# Altium PCB BerndoKeyboard-Switchboard.PcbDoc (part 1 of 3)
Units mm, origin at the board's own origin, x right, y up, seen from the top; angles counter-clockwise.
Board outline 470 x 135 mm, 2 copper layers (Top Layer, Bottom Layer), stack 1.581 mm thick; 355 components, 212 nets, 1814 pads, 203 vias.
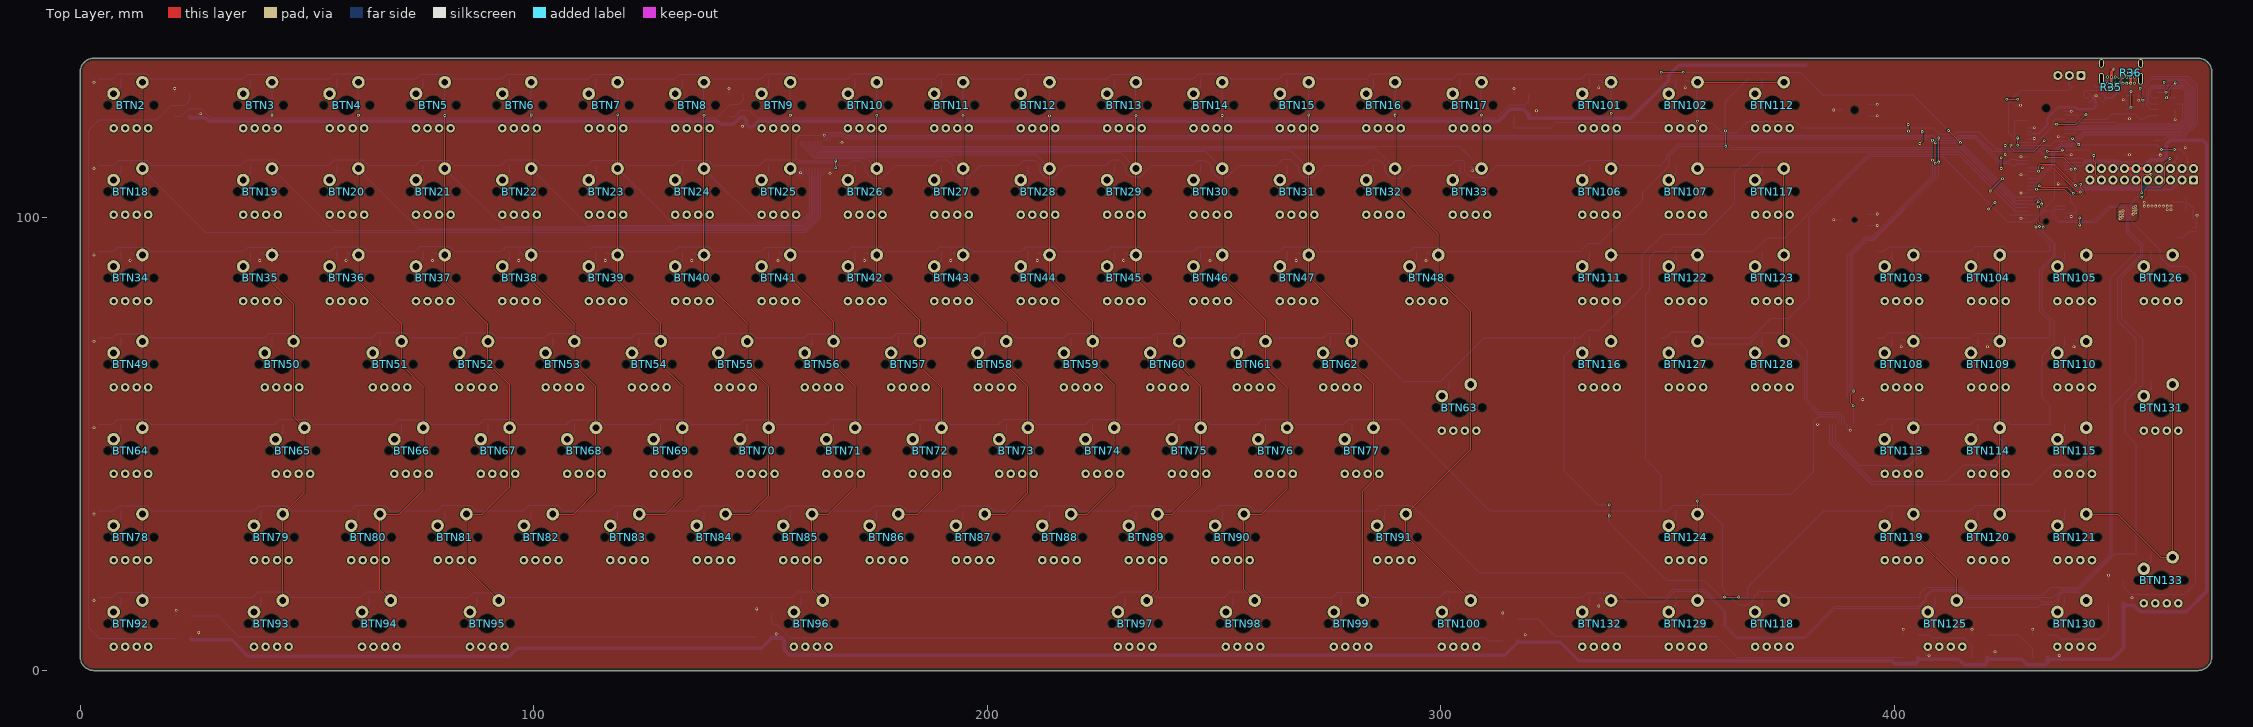
[diagram p0: Top Layer view]
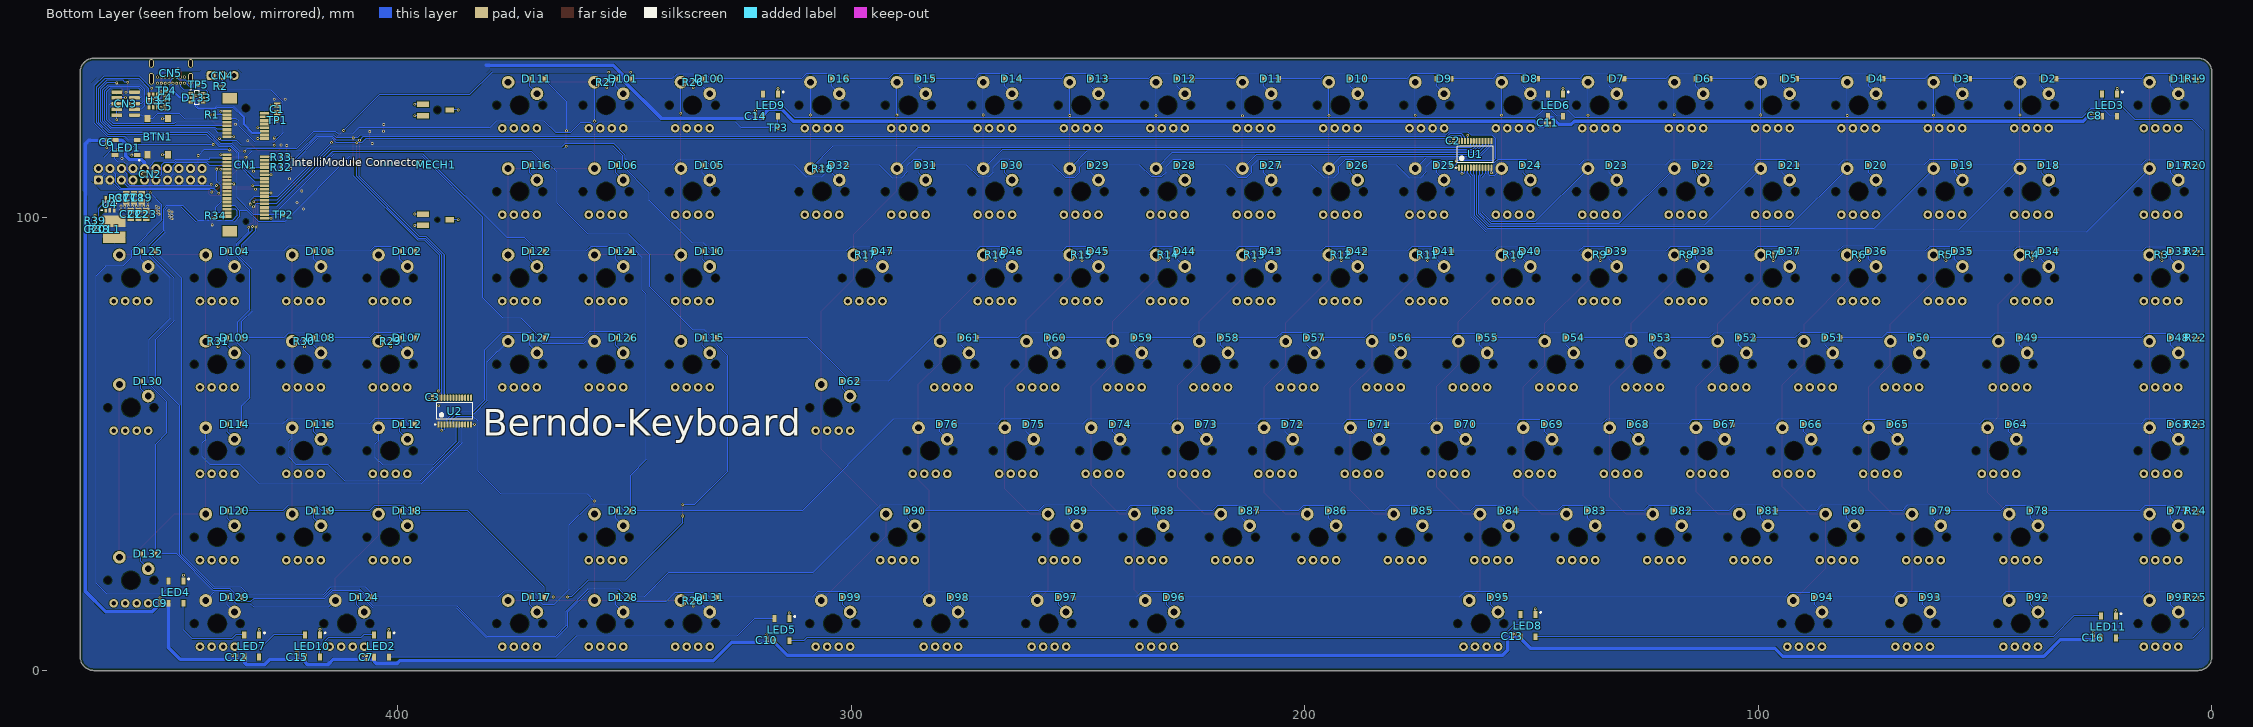
[diagram p1: Bottom Layer view, seen from below]

## Layer stack, top to bottom
Top Solder: solder mask 0.0102, Solder Resist, Dk 3.5
Top Layer: signal copper 0.0356
Dielectric 1: dielectric 1.51, FR-4, Dk 4.8
Bottom Layer: signal copper 0.0356
Bottom Solder: solder mask 0.0102, Solder Resist, Dk 3.5

## Board outline
0,3 ccw(c3,3) 3,0 467,0 ccw(c467,3) 470,3 470,132 ccw(c467,132) 467,135 3,135 ccw(c3,132) 0,132

## Design rules (kind name [scope] priority, off if disabled: settings)
BoardOutlineClearance [All] p1: gap=0.2 ignorepadtopadclearanceinfootprint=FALSE except(0.15: THPad-OutlineEdge THPad-CavityEdge THPad-CutoutEdge THPad-SplitBarrior THPad-SplitContinuation; 0.5: Poly-OutlineEdge Poly-CavityEdge Poly-CutoutEdge Poly-SplitBarrior Poly-SplitContinuation)
Clearance [All] p1: gap=0.127 ignorepadtopadclearanceinfootprint=FALSE except(0.15: Arc-Poly Track-Poly SMDPad-Poly THPad-Poly Via-Poly Fill-Poly Poly-Poly Poly-Region Poly-Text Poly-Hole)
ComponentClearance [All] p1: gap=0 collisioncheckmode=3 verticalgap=0 showdistances=FALSE
DiffPairsRouting [All] p1: maxlimit=0.127 minlimit=0.127 mostfreqgap=0.127 toplayer_minwidth=0.127 toplayer_maxwidth=0.127 toplayer_prefwidth=0.127 bottomlayer_minwidth=0.127 bottomlayer_maxwidth=0.127 bottomlayer_prefwidth=0.127 maxuncoupledlength=10
HoleSize [All] p1: absolutevalues=TRUE maxlimit=6.3 minlimit=0.3 maxpercent=80.000 minpercent=20.000
HoleToHoleClearance [All] p1: gap=0.3 allowstackedmicrovias=TRUE
MinimumSolderMaskSliver [All] p1: minsoldermaskwidth=0.1
PolygonConnect "PolygonConnect NoRelief" [InPolygonClass('NORELIEF')] p1: connectstyle=Direct reliefconductorwidth=0.254 reliefentries=4 polygonreliefangle="90 Angle" airgapwidth=0.254
PolygonConnect [All] p2: thpad.connectstyle=Relief thpad.reliefconductorwidth=0.25 thpad.reliefentries=4 thpad.polygonreliefangle="90 Angle" thpad.airgapwidth=0.15 smdpad.connectstyle=Relief smdpad.reliefconductorwidth=0.25 smdpad.reliefentries=4 smdpad.polygonreliefangle="90 Angle" smdpad.airgapwidth=0.15 via.connectstyle=Direct via.reliefconductorwidth=0.254 via.reliefentries=4 via.polygonreliefangle="90 Angle" via.airgapwidth=0.254
RoutingVias [All] p1: holewidth=0.3 width=0.6 viastyle="Through Hole" minholewidth=0.3 minwidth=0.6 maxholewidth=6.3 maxwidth=10
SilkToSilkClearance [All] p1: silktosilkclearance=0
SilkToSolderMaskClearance [IsPad] p1: minsilkscreentomaskgap=0.1 clearancetoexposedcopper=FALSE
SolderMaskExpansion [All] p1: expansion=0.05
Width "Width Power" [InNetClass('Power')] p1: maxlimit=10 minlimit=0.127 preferedwidth=0.25
Width [All] p2: maxlimit=10 minlimit=0.127 preferedwidth=0.127
23 further rules are at their usual default settings.

## Classes and differential pairs
polygon class NORELIEF: GND_L02_P008 REG_3V3_SW_L02_P006 USBC_VBUS_L02_P004
differential pair class DIFF90: MCU_USB_D USBC_D
net class Power: 3V3 GND MCU_VBAT USBC_VBUS
differential pair USBC_D: +USBC_D_P -USBC_D_N
differential pair MCU_USB_D: +MCU_USB_D_P -MCU_USB_D_N

## Components (designator, comment, footprint, x,y, rotation, side; value= is the part's Value field where it differs from the comment)
BTN1 "PTS645SL50SMTR92LFS" BTN-SMD-PTS645-CK 452.9,117.7 r270 bottom
BTN2 "MX1A-E1NW" BTN-THT-MX-CHERRY 11.162,124.65 r0 top locked
BTN3 "MX1A-E1NW" BTN-THT-MX-CHERRY 39.737,124.65 r0 top locked
BTN4 "MX1A-E1NW" BTN-THT-MX-CHERRY 58.787,124.65 r0 top locked
BTN5 "MX1A-E1NW" BTN-THT-MX-CHERRY 77.837,124.65 r0 top locked
BTN6 "MX1A-E1NW" BTN-THT-MX-CHERRY 96.887,124.65 r0 top locked
BTN7 "MX1A-E1NW" BTN-THT-MX-CHERRY 115.937,124.65 r0 top locked
BTN8 "MX1A-E1NW" BTN-THT-MX-CHERRY 134.987,124.65 r0 top locked
BTN9 "MX1A-E1NW" BTN-THT-MX-CHERRY 154.037,124.65 r0 top locked
BTN10 "MX1A-E1NW" BTN-THT-MX-CHERRY 173.087,124.65 r0 top locked
BTN11 "MX1A-E1NW" BTN-THT-MX-CHERRY 192.137,124.65 r0 top locked
BTN12 "MX1A-E1NW" BTN-THT-MX-CHERRY 211.187,124.65 r0 top locked
BTN13 "MX1A-E1NW" BTN-THT-MX-CHERRY 230.237,124.65 r0 top locked
BTN14 "MX1A-E1NW" BTN-THT-MX-CHERRY 249.287,124.65 r0 top locked
BTN15 "MX1A-E1NW" BTN-THT-MX-CHERRY 268.337,124.65 r0 top locked
BTN16 "MX1A-E1NW" BTN-THT-MX-CHERRY 287.387,124.65 r0 top locked
BTN17 "MX1A-E1NW" BTN-THT-MX-CHERRY 306.437,124.65 r0 top locked
BTN18 "MX1A-E1NW" BTN-THT-MX-CHERRY 11.162,105.6 r0 top locked
BTN19 "MX1A-E1NW" BTN-THT-MX-CHERRY 39.737,105.6 r0 top locked
BTN20 "MX1A-E1NW" BTN-THT-MX-CHERRY 58.787,105.6 r0 top locked
BTN21 "MX1A-E1NW" BTN-THT-MX-CHERRY 77.837,105.6 r0 top locked
BTN22 "MX1A-E1NW" BTN-THT-MX-CHERRY 96.887,105.6 r0 top locked
BTN23 "MX1A-E1NW" BTN-THT-MX-CHERRY 115.937,105.6 r0 top locked
BTN24 "MX1A-E1NW" BTN-THT-MX-CHERRY 134.987,105.6 r0 top locked
BTN25 "MX1A-E1NW" BTN-THT-MX-CHERRY 154.037,105.6 r0 top locked
BTN26 "MX1A-E1NW" BTN-THT-MX-CHERRY 173.087,105.6 r0 top locked
BTN27 "MX1A-E1NW" BTN-THT-MX-CHERRY 192.137,105.6 r0 top locked
BTN28 "MX1A-E1NW" BTN-THT-MX-CHERRY 211.187,105.6 r0 top locked
BTN29 "MX1A-E1NW" BTN-THT-MX-CHERRY 230.237,105.6 r0 top locked
BTN30 "MX1A-E1NW" BTN-THT-MX-CHERRY 249.287,105.6 r0 top locked
BTN31 "MX1A-E1NW" BTN-THT-MX-CHERRY 268.337,105.6 r0 top locked
BTN32 "MX1A-E1NW" BTN-THT-MX-CHERRY 287.387,105.6 r0 top locked
BTN33 "MX1A-E1NW" BTN-THT-MX-CHERRY 306.437,105.6 r0 top locked
BTN34 "MX1A-E1NW" BTN-THT-MX-CHERRY 11.162,86.55 r0 top locked
BTN35 "MX1A-E1NW" BTN-THT-MX-CHERRY 39.737,86.55 r0 top locked
BTN36 "MX1A-E1NW" BTN-THT-MX-CHERRY 58.787,86.55 r0 top locked
BTN37 "MX1A-E1NW" BTN-THT-MX-CHERRY 77.837,86.55 r0 top locked
BTN38 "MX1A-E1NW" BTN-THT-MX-CHERRY 96.887,86.55 r0 top locked
BTN39 "MX1A-E1NW" BTN-THT-MX-CHERRY 115.937,86.55 r0 top locked
BTN40 "MX1A-E1NW" BTN-THT-MX-CHERRY 134.987,86.55 r0 top locked
BTN41 "MX1A-E1NW" BTN-THT-MX-CHERRY 154.037,86.55 r0 top locked
BTN42 "MX1A-E1NW" BTN-THT-MX-CHERRY 173.087,86.55 r0 top locked
BTN43 "MX1A-E1NW" BTN-THT-MX-CHERRY 192.137,86.55 r0 top locked
BTN44 "MX1A-E1NW" BTN-THT-MX-CHERRY 211.187,86.55 r0 top locked
BTN45 "MX1A-E1NW" BTN-THT-MX-CHERRY 230.237,86.55 r0 top locked
BTN46 "MX1A-E1NW" BTN-THT-MX-CHERRY 249.287,86.55 r0 top locked
BTN47 "MX1A-E1NW" BTN-THT-MX-CHERRY 268.337,86.55 r0 top locked
BTN48 "MX1A-E1NW" BTN-THT-MX-CHERRY 296.912,86.55 r0 top locked
BTN49 "MX1A-E1NW" BTN-THT-MX-CHERRY 11.162,67.5 r0 top locked
BTN50 "MX1A-E1NW" BTN-THT-MX-CHERRY 44.5,67.5 r0 top locked
BTN51 "MX1A-E1NW" BTN-THT-MX-CHERRY 68.312,67.5 r0 top locked
BTN52 "MX1A-E1NW" BTN-THT-MX-CHERRY 87.362,67.5 r0 top locked
BTN53 "MX1A-E1NW" BTN-THT-MX-CHERRY 106.412,67.5 r0 top locked
BTN54 "MX1A-E1NW" BTN-THT-MX-CHERRY 125.462,67.5 r0 top locked
BTN55 "MX1A-E1NW" BTN-THT-MX-CHERRY 144.512,67.5 r0 top locked
BTN56 "MX1A-E1NW" BTN-THT-MX-CHERRY 163.562,67.5 r0 top locked
BTN57 "MX1A-E1NW" BTN-THT-MX-CHERRY 182.612,67.5 r0 top locked
BTN58 "MX1A-E1NW" BTN-THT-MX-CHERRY 201.662,67.5 r0 top
BTN59 "MX1A-E1NW" BTN-THT-MX-CHERRY 220.712,67.5 r0 top locked
BTN60 "MX1A-E1NW" BTN-THT-MX-CHERRY 239.762,67.5 r0 top locked
BTN61 "MX1A-E1NW" BTN-THT-MX-CHERRY 258.812,67.5 r0 top locked
BTN62 "MX1A-E1NW" BTN-THT-MX-CHERRY 277.862,67.5 r0 top locked
BTN63 "MX1A-E1NW" BTN-THT-MX-CHERRY 304.057,57.975 r0 top locked
BTN64 "MX1A-E1NW" BTN-THT-MX-CHERRY 11.162,48.45 r0 top locked
BTN65 "MX1A-E1NW" BTN-THT-MX-CHERRY 46.881,48.45 r0 top locked
BTN66 "MX1A-E1NW" BTN-THT-MX-CHERRY 73.076,48.45 r0 top locked
BTN67 "MX1A-E1NW" BTN-THT-MX-CHERRY 92.126,48.45 r0 top locked
BTN68 "MX1A-E1NW" BTN-THT-MX-CHERRY 111.176,48.45 r0 top locked
BTN69 "MX1A-E1NW" BTN-THT-MX-CHERRY 130.226,48.45 r0 top locked
BTN70 "MX1A-E1NW" BTN-THT-MX-CHERRY 149.276,48.45 r0 top locked
BTN71 "MX1A-E1NW" BTN-THT-MX-CHERRY 168.326,48.45 r0 top locked
BTN72 "MX1A-E1NW" BTN-THT-MX-CHERRY 187.376,48.45 r0 top locked
BTN73 "MX1A-E1NW" BTN-THT-MX-CHERRY 206.426,48.45 r0 top locked
BTN74 "MX1A-E1NW" BTN-THT-MX-CHERRY 225.476,48.45 r0 top locked
BTN75 "MX1A-E1NW" BTN-THT-MX-CHERRY 244.526,48.45 r0 top locked
BTN76 "MX1A-E1NW" BTN-THT-MX-CHERRY 263.576,48.45 r0 top locked
BTN77 "MX1A-E1NW" BTN-THT-MX-CHERRY 282.626,48.45 r0 top locked
BTN78 "MX1A-E1NW" BTN-THT-MX-CHERRY 11.162,29.4 r0 top locked
BTN79 "MX1A-E1NW" BTN-THT-MX-CHERRY 42.119,29.4 r0 top locked
BTN80 "MX1A-E1NW" BTN-THT-MX-CHERRY 63.551,29.4 r0 top locked
BTN81 "MX1A-E1NW" BTN-THT-MX-CHERRY 82.601,29.4 r0 top locked
BTN82 "MX1A-E1NW" BTN-THT-MX-CHERRY 101.651,29.4 r0 top locked
BTN83 "MX1A-E1NW" BTN-THT-MX-CHERRY 120.701,29.4 r0 top locked
BTN84 "MX1A-E1NW" BTN-THT-MX-CHERRY 139.751,29.4 r0 top locked
BTN85 "MX1A-E1NW" BTN-THT-MX-CHERRY 158.801,29.4 r0 top locked
BTN86 "MX1A-E1NW" BTN-THT-MX-CHERRY 177.851,29.4 r0 top locked
BTN87 "MX1A-E1NW" BTN-THT-MX-CHERRY 196.901,29.4 r0 top locked
BTN88 "MX1A-E1NW" BTN-THT-MX-CHERRY 215.951,29.4 r0 top locked
BTN89 "MX1A-E1NW" BTN-THT-MX-CHERRY 235.001,29.4 r0 top locked
BTN90 "MX1A-E1NW" BTN-THT-MX-CHERRY 254.051,29.4 r0 top locked
BTN91 "MX1A-E1NW" BTN-THT-MX-CHERRY 289.769,29.4 r0 top locked
BTN92 "MX1A-E1NW" BTN-THT-MX-CHERRY 11.162,10.35 r0 top locked
BTN93 "MX1A-E1NW" BTN-THT-MX-CHERRY 42.119,10.35 r0 top locked
BTN94 "MX1A-E1NW" BTN-THT-MX-CHERRY 65.932,10.35 r0 top locked
BTN95 "MX1A-E1NW" BTN-THT-MX-CHERRY 89.744,10.35 r0 top locked
BTN96 "MX1A-E1NW" BTN-THT-MX-CHERRY 161.182,10.35 r0 top locked
BTN97 "MX1A-E1NW" BTN-THT-MX-CHERRY 232.619,10.35 r0 top locked
BTN98 "MX1A-E1NW" BTN-THT-MX-CHERRY 256.432,10.35 r0 top locked
BTN99 "MX1A-E1NW" BTN-THT-MX-CHERRY 280.244,10.35 r0 top locked
BTN100 "MX1A-E1NW" BTN-THT-MX-CHERRY 304.057,10.35 r0 top locked
BTN101 "MX1A-E1NW" BTN-THT-MX-CHERRY 335.012,124.65 r0 top locked
BTN102 "MX1A-E1NW" BTN-THT-MX-CHERRY 354.062,124.65 r0 top locked
BTN103 "MX1A-E1NW" BTN-THT-MX-CHERRY 401.687,86.55 r0 top locked
BTN104 "MX1A-E1NW" BTN-THT-MX-CHERRY 420.737,86.55 r0 top locked
BTN105 "MX1A-E1NW" BTN-THT-MX-CHERRY 439.787,86.55 r0 top locked
BTN106 "MX1A-E1NW" BTN-THT-MX-CHERRY 335.012,105.6 r0 top locked
BTN107 "MX1A-E1NW" BTN-THT-MX-CHERRY 354.062,105.6 r0 top locked
BTN108 "MX1A-E1NW" BTN-THT-MX-CHERRY 401.687,67.5 r0 top locked
BTN109 "MX1A-E1NW" BTN-THT-MX-CHERRY 420.737,67.5 r0 top locked
BTN110 "MX1A-E1NW" BTN-THT-MX-CHERRY 439.787,67.5 r0 top locked
BTN111 "MX1A-E1NW" BTN-THT-MX-CHERRY 335.012,86.55 r0 top locked
BTN112 "MX1A-E1NW" BTN-THT-MX-CHERRY 373.112,124.65 r0 top locked
BTN113 "MX1A-E1NW" BTN-THT-MX-CHERRY 401.687,48.45 r0 top locked
BTN114 "MX1A-E1NW" BTN-THT-MX-CHERRY 420.737,48.45 r0 top locked
BTN115 "MX1A-E1NW" BTN-THT-MX-CHERRY 439.787,48.45 r0 top locked
BTN116 "MX1A-E1NW" BTN-THT-MX-CHERRY 335.012,67.5 r0 top locked
BTN117 "MX1A-E1NW" BTN-THT-MX-CHERRY 373.112,105.6 r0 top locked
BTN118 "MX1A-E1NW" BTN-THT-MX-CHERRY 373.112,10.35 r0 top locked
BTN119 "MX1A-E1NW" BTN-THT-MX-CHERRY 401.687,29.4 r0 top locked
BTN120 "MX1A-E1NW" BTN-THT-MX-CHERRY 420.737,29.4 r0 top locked
BTN121 "MX1A-E1NW" BTN-THT-MX-CHERRY 439.787,29.4 r0 top locked
BTN122 "MX1A-E1NW" BTN-THT-MX-CHERRY 354.062,86.55 r0 top locked
BTN123 "MX1A-E1NW" BTN-THT-MX-CHERRY 373.112,86.55 r0 top locked
BTN124 "MX1A-E1NW" BTN-THT-MX-CHERRY 354.062,29.4 r0 top locked
BTN125 "MX1A-E1NW" BTN-THT-MX-CHERRY 411.212,10.35 r0 top locked
BTN126 "MX1A-E1NW" BTN-THT-MX-CHERRY 458.837,86.55 r0 top locked
BTN127 "MX1A-E1NW" BTN-THT-MX-CHERRY 354.062,67.5 r0 top locked
BTN128 "MX1A-E1NW" BTN-THT-MX-CHERRY 373.112,67.5 r0 top locked
BTN129 "MX1A-E1NW" BTN-THT-MX-CHERRY 354.062,10.35 r0 top locked
BTN130 "MX1A-E1NW" BTN-THT-MX-CHERRY 439.787,10.35 r0 top locked
BTN131 "MX1A-E1NW" BTN-THT-MX-CHERRY 458.837,57.975 r0 top locked
BTN132 "MX1A-E1NW" BTN-THT-MX-CHERRY 335.012,10.35 r0 top locked
BTN133 "MX1A-E1NW" BTN-THT-MX-CHERRY 458.837,19.875 r0 top locked
C1 "10uF 10V" CAP-SMD-0805-1.35MM-IPC-MED 426.6,123.8 r90 bottom
C2 "100nF 16V" CAP-SMD-0402-0.55MM-IPC-MED 167.2,116.86 r270 bottom
C3 "100nF 16V" CAP-SMD-0402-0.55MM-IPC-MED 392.3,60.2 r270 bottom
C4 "100nF 16V" CAP-SMD-0402-0.55MM-IPC-MED 451.3,126.27 r270 bottom
C5 "100nF 16V" CAP-SMD-0402-0.55MM-IPC-MED 451.3,124.3 r90 bottom
C6 "100nF 16V" CAP-SMD-0402-0.55MM-IPC-MED 464.2,116.5 r270 bottom
C7 "100nF 16V" CAP-SMD-0402-0.55MM-IPC-MED 406.902,2.9 r90 bottom
C8 "100nF 16V" CAP-SMD-0402-0.55MM-IPC-MED 25.8,122.35 r90 bottom
C9 "100nF 16V" CAP-SMD-0402-0.55MM-IPC-MED 452.4,14.86 r90 bottom
C10 "100nF 16V" CAP-SMD-0402-0.55MM-IPC-MED 318.6,6.7 r90 bottom
C11 "100nF 16V" CAP-SMD-0402-0.55MM-IPC-MED 146.46,120.75 r180 bottom
C12 "100nF 16V" CAP-SMD-0402-0.55MM-IPC-MED 435.6,2.9 r90 bottom
C13 "100nF 16V" CAP-SMD-0402-0.55MM-IPC-MED 154.2,7.6 r90 bottom
C14 "100nF 16V" CAP-SMD-0402-0.55MM-IPC-MED 321.1,122.25 r90 bottom
C15 "100nF 16V" CAP-SMD-0402-0.55MM-IPC-MED 422.2,2.96 r90 bottom
C16 "100nF 16V" CAP-SMD-0402-0.55MM-IPC-MED 26.1,7.2 r90 bottom
C17 "10uF 10V" CAP-SMD-0805-1.35MM-IPC-MED 459.85,104.25 r270 bottom
C18 "10uF 10V" CAP-SMD-0805-1.35MM-IPC-MED 458.15,104.25 r270 bottom
C19 "10uF 10V" CAP-SMD-0805-1.35MM-IPC-MED 456.45,104.25 r270 bottom
C20 "22pF 50V" CAP-SMD-0402-0.55MM-IPC-MED 466.75,97.25 r90 bottom
C21 "10uF 10V" CAP-SMD-0805-1.35MM-IPC-MED 458.85,100.575 r90 bottom
C22 "10uF 10V" CAP-SMD-0805-1.35MM-IPC-MED 457.15,100.575 r90 bottom
C23 "10uF 10V" CAP-SMD-0805-1.35MM-IPC-MED 455.45,100.575 r90 bottom
CN1 "1775838-2" CON-SMD-PCIE-MINI-52POS-1775838-2-TE 433.5,124 r270 bottom locked
CN2 "PRPC010DAAN-RC" CON-THT-PINHEADER-2.54MM-20POS-2X10 466,108.14 r180 bottom locked
CN3 "3220-10-0300-00" CON-SMD-PINHEADER-SHIELDED-1.27MM-10POS-2X5-3220-10-0300-00-CNC-TECH 460,125 r90 bottom locked
CN4 "PRPC003SAAN-RC" CON-THT-PINHEADER-2.54MM-3POS-1X3 441.14,131.2 r180 bottom
CN5 "USB4085-GF-A" CON-THT-USB-C-16POS-USB4085-GCT 450,129.5 r0 bottom locked
D1 "1N4148W-TP" D-SMD-SOD-123-MICRO-COMMERCIAL-COMPONENTS 7.352,130.5 r0 bottom
D2 "1N4148W-TP" D-SMD-SOD-123-MICRO-COMMERCIAL-COMPONENTS 35.927,130.5 r0 bottom
D3 "1N4148W-TP" D-SMD-SOD-123-MICRO-COMMERCIAL-COMPONENTS 54.977,130.48 r0 bottom
D4 "1N4148W-TP" D-SMD-SOD-123-MICRO-COMMERCIAL-COMPONENTS 74.027,130.5 r0 bottom
D5 "1N4148W-TP" D-SMD-SOD-123-MICRO-COMMERCIAL-COMPONENTS 93.077,130.5 r0 bottom
D6 "1N4148W-TP" D-SMD-SOD-123-MICRO-COMMERCIAL-COMPONENTS 112.127,130.5 r0 bottom
D7 "1N4148W-TP" D-SMD-SOD-123-MICRO-COMMERCIAL-COMPONENTS 131.177,130.5 r0 bottom
D8 "1N4148W-TP" D-SMD-SOD-123-MICRO-COMMERCIAL-COMPONENTS 150.227,130.5 r0 bottom
D9 "1N4148W-TP" D-SMD-SOD-123-MICRO-COMMERCIAL-COMPONENTS 169.277,130.5 r0 bottom
D10 "1N4148W-TP" D-SMD-SOD-123-MICRO-COMMERCIAL-COMPONENTS 188.327,130.5 r0 bottom
D11 "1N4148W-TP" D-SMD-SOD-123-MICRO-COMMERCIAL-COMPONENTS 207.377,130.5 r0 bottom
D12 "1N4148W-TP" D-SMD-SOD-123-MICRO-COMMERCIAL-COMPONENTS 226.427,130.5 r0 bottom
D13 "1N4148W-TP" D-SMD-SOD-123-MICRO-COMMERCIAL-COMPONENTS 245.477,130.5 r0 bottom
D14 "1N4148W-TP" D-SMD-SOD-123-MICRO-COMMERCIAL-COMPONENTS 264.527,130.5 r0 bottom
D15 "1N4148W-TP" D-SMD-SOD-123-MICRO-COMMERCIAL-COMPONENTS 283.577,130.5 r0 bottom
D16 "1N4148W-TP" D-SMD-SOD-123-MICRO-COMMERCIAL-COMPONENTS 302.627,130.5 r0 bottom
D17 "1N4148W-TP" D-SMD-SOD-123-MICRO-COMMERCIAL-COMPONENTS 7.352,111.45 r0 bottom
D18 "1N4148W-TP" D-SMD-SOD-123-MICRO-COMMERCIAL-COMPONENTS 35.927,111.45 r0 bottom
D19 "1N4148W-TP" D-SMD-SOD-123-MICRO-COMMERCIAL-COMPONENTS 54.977,111.45 r0 bottom
D20 "1N4148W-TP" D-SMD-SOD-123-MICRO-COMMERCIAL-COMPONENTS 74.027,111.45 r0 bottom
D21 "1N4148W-TP" D-SMD-SOD-123-MICRO-COMMERCIAL-COMPONENTS 93.077,111.45 r0 bottom
D22 "1N4148W-TP" D-SMD-SOD-123-MICRO-COMMERCIAL-COMPONENTS 112.127,111.45 r0 bottom
D23 "1N4148W-TP" D-SMD-SOD-123-MICRO-COMMERCIAL-COMPONENTS 131.177,111.45 r0 bottom
D24 "1N4148W-TP" D-SMD-SOD-123-MICRO-COMMERCIAL-COMPONENTS 150.227,111.45 r0 bottom
D25 "1N4148W-TP" D-SMD-SOD-123-MICRO-COMMERCIAL-COMPONENTS 169.277,111.45 r0 bottom
D26 "1N4148W-TP" D-SMD-SOD-123-MICRO-COMMERCIAL-COMPONENTS 188.327,111.45 r0 bottom
D27 "1N4148W-TP" D-SMD-SOD-123-MICRO-COMMERCIAL-COMPONENTS 207.377,111.45 r0 bottom
D28 "1N4148W-TP" D-SMD-SOD-123-MICRO-COMMERCIAL-COMPONENTS 226.427,111.45 r0 bottom
D29 "1N4148W-TP" D-SMD-SOD-123-MICRO-COMMERCIAL-COMPONENTS 245.477,111.45 r0 bottom
D30 "1N4148W-TP" D-SMD-SOD-123-MICRO-COMMERCIAL-COMPONENTS 264.527,111.45 r0 bottom
D31 "1N4148W-TP" D-SMD-SOD-123-MICRO-COMMERCIAL-COMPONENTS 283.577,111.45 r0 bottom
D32 "1N4148W-TP" D-SMD-SOD-123-MICRO-COMMERCIAL-COMPONENTS 302.627,111.45 r0 bottom
D33 "1N4148W-TP" D-SMD-SOD-123-MICRO-COMMERCIAL-COMPONENTS 7.352,92.4 r0 bottom
D34 "1N4148W-TP" D-SMD-SOD-123-MICRO-COMMERCIAL-COMPONENTS 35.927,92.4 r0 bottom
D35 "1N4148W-TP" D-SMD-SOD-123-MICRO-COMMERCIAL-COMPONENTS 54.977,92.4 r0 bottom
D36 "1N4148W-TP" D-SMD-SOD-123-MICRO-COMMERCIAL-COMPONENTS 74.027,92.4 r0 bottom
D37 "1N4148W-TP" D-SMD-SOD-123-MICRO-COMMERCIAL-COMPONENTS 93.077,92.4 r0 bottom
D38 "1N4148W-TP" D-SMD-SOD-123-MICRO-COMMERCIAL-COMPONENTS 112.127,92.4 r0 bottom
D39 "1N4148W-TP" D-SMD-SOD-123-MICRO-COMMERCIAL-COMPONENTS 131.177,92.4 r0 bottom
D40 "1N4148W-TP" D-SMD-SOD-123-MICRO-COMMERCIAL-COMPONENTS 150.227,92.4 r0 bottom
D41 "1N4148W-TP" D-SMD-SOD-123-MICRO-COMMERCIAL-COMPONENTS 169.277,92.4 r0 bottom
D42 "1N4148W-TP" D-SMD-SOD-123-MICRO-COMMERCIAL-COMPONENTS 188.327,92.4 r0 bottom
D43 "1N4148W-TP" D-SMD-SOD-123-MICRO-COMMERCIAL-COMPONENTS 207.377,92.4 r0 bottom
D44 "1N4148W-TP" D-SMD-SOD-123-MICRO-COMMERCIAL-COMPONENTS 226.427,92.4 r0 bottom
D45 "1N4148W-TP" D-SMD-SOD-123-MICRO-COMMERCIAL-COMPONENTS 245.477,92.4 r0 bottom
D46 "1N4148W-TP" D-SMD-SOD-123-MICRO-COMMERCIAL-COMPONENTS 264.527,92.4 r0 bottom
D47 "1N4148W-TP" D-SMD-SOD-123-MICRO-COMMERCIAL-COMPONENTS 293.102,92.4 r0 bottom
D48 "1N4148W-TP" D-SMD-SOD-123-MICRO-COMMERCIAL-COMPONENTS 7.352,73.35 r0 bottom
D49 "1N4148W-TP" D-SMD-SOD-123-MICRO-COMMERCIAL-COMPONENTS 40.69,73.35 r0 bottom
D50 "1N4148W-TP" D-SMD-SOD-123-MICRO-COMMERCIAL-COMPONENTS 64.502,73.35 r0 bottom
D51 "1N4148W-TP" D-SMD-SOD-123-MICRO-COMMERCIAL-COMPONENTS 83.552,73.35 r0 bottom
D52 "1N4148W-TP" D-SMD-SOD-123-MICRO-COMMERCIAL-COMPONENTS 102.602,73.35 r0 bottom
D53 "1N4148W-TP" D-SMD-SOD-123-MICRO-COMMERCIAL-COMPONENTS 121.652,73.35 r0 bottom
D54 "1N4148W-TP" D-SMD-SOD-123-MICRO-COMMERCIAL-COMPONENTS 140.702,73.35 r0 bottom
D55 "1N4148W-TP" D-SMD-SOD-123-MICRO-COMMERCIAL-COMPONENTS 159.752,73.35 r0 bottom
D56 "1N4148W-TP" D-SMD-SOD-123-MICRO-COMMERCIAL-COMPONENTS 178.802,73.35 r0 bottom
D57 "1N4148W-TP" D-SMD-SOD-123-MICRO-COMMERCIAL-COMPONENTS 197.852,73.35 r0 bottom
D58 "1N4148W-TP" D-SMD-SOD-123-MICRO-COMMERCIAL-COMPONENTS 216.902,73.35 r0 bottom
D59 "1N4148W-TP" D-SMD-SOD-123-MICRO-COMMERCIAL-COMPONENTS 235.952,73.35 r0 bottom
D60 "1N4148W-TP" D-SMD-SOD-123-MICRO-COMMERCIAL-COMPONENTS 255.002,73.35 r0 bottom
D61 "1N4148W-TP" D-SMD-SOD-123-MICRO-COMMERCIAL-COMPONENTS 274.052,73.35 r0 bottom
D62 "1N4148W-TP" D-SMD-SOD-123-MICRO-COMMERCIAL-COMPONENTS 300.247,63.825 r0 bottom
D63 "1N4148W-TP" D-SMD-SOD-123-MICRO-COMMERCIAL-COMPONENTS 7.352,54.3 r0 bottom
D64 "1N4148W-TP" D-SMD-SOD-123-MICRO-COMMERCIAL-COMPONENTS 43.071,54.3 r0 bottom
D65 "1N4148W-TP" D-SMD-SOD-123-MICRO-COMMERCIAL-COMPONENTS 69.266,54.3 r0 bottom
D66 "1N4148W-TP" D-SMD-SOD-123-MICRO-COMMERCIAL-COMPONENTS 88.316,54.3 r0 bottom
D67 "1N4148W-TP" D-SMD-SOD-123-MICRO-COMMERCIAL-COMPONENTS 107.366,54.3 r0 bottom
D68 "1N4148W-TP" D-SMD-SOD-123-MICRO-COMMERCIAL-COMPONENTS 126.416,54.3 r0 bottom
D69 "1N4148W-TP" D-SMD-SOD-123-MICRO-COMMERCIAL-COMPONENTS 145.466,54.3 r0 bottom
D70 "1N4148W-TP" D-SMD-SOD-123-MICRO-COMMERCIAL-COMPONENTS 164.516,54.3 r0 bottom
D71 "1N4148W-TP" D-SMD-SOD-123-MICRO-COMMERCIAL-COMPONENTS 183.566,54.3 r0 bottom
D72 "1N4148W-TP" D-SMD-SOD-123-MICRO-COMMERCIAL-COMPONENTS 202.616,54.3 r0 bottom
D73 "1N4148W-TP" D-SMD-SOD-123-MICRO-COMMERCIAL-COMPONENTS 221.666,54.3 r0 bottom
D74 "1N4148W-TP" D-SMD-SOD-123-MICRO-COMMERCIAL-COMPONENTS 240.716,54.3 r0 bottom
D75 "1N4148W-TP" D-SMD-SOD-123-MICRO-COMMERCIAL-COMPONENTS 259.766,54.3 r0 bottom
D76 "1N4148W-TP" D-SMD-SOD-123-MICRO-COMMERCIAL-COMPONENTS 278.816,54.3 r0 bottom
D77 "1N4148W-TP" D-SMD-SOD-123-MICRO-COMMERCIAL-COMPONENTS 7.352,35.25 r0 bottom
D78 "1N4148W-TP" D-SMD-SOD-123-MICRO-COMMERCIAL-COMPONENTS 38.309,35.25 r0 bottom
D79 "1N4148W-TP" D-SMD-SOD-123-MICRO-COMMERCIAL-COMPONENTS 59.741,35.25 r0 bottom
D80 "1N4148W-TP" D-SMD-SOD-123-MICRO-COMMERCIAL-COMPONENTS 78.791,35.25 r0 bottom
D81 "1N4148W-TP" D-SMD-SOD-123-MICRO-COMMERCIAL-COMPONENTS 97.841,35.25 r0 bottom
D82 "1N4148W-TP" D-SMD-SOD-123-MICRO-COMMERCIAL-COMPONENTS 116.891,35.25 r0 bottom
D83 "1N4148W-TP" D-SMD-SOD-123-MICRO-COMMERCIAL-COMPONENTS 135.941,35.25 r0 bottom
D84 "1N4148W-TP" D-SMD-SOD-123-MICRO-COMMERCIAL-COMPONENTS 154.991,35.25 r0 bottom
D85 "1N4148W-TP" D-SMD-SOD-123-MICRO-COMMERCIAL-COMPONENTS 174.041,35.25 r0 bottom
D86 "1N4148W-TP" D-SMD-SOD-123-MICRO-COMMERCIAL-COMPONENTS 193.091,35.25 r0 bottom
D87 "1N4148W-TP" D-SMD-SOD-123-MICRO-COMMERCIAL-COMPONENTS 212.141,35.25 r0 bottom
D88 "1N4148W-TP" D-SMD-SOD-123-MICRO-COMMERCIAL-COMPONENTS 231.191,35.25 r0 bottom
D89 "1N4148W-TP" D-SMD-SOD-123-MICRO-COMMERCIAL-COMPONENTS 250.241,35.25 r0 bottom
D90 "1N4148W-TP" D-SMD-SOD-123-MICRO-COMMERCIAL-COMPONENTS 285.959,35.25 r0 bottom
D91 "1N4148W-TP" D-SMD-SOD-123-MICRO-COMMERCIAL-COMPONENTS 7.352,16.2 r0 bottom
D92 "1N4148W-TP" D-SMD-SOD-123-MICRO-COMMERCIAL-COMPONENTS 38.309,16.2 r0 bottom
D93 "1N4148W-TP" D-SMD-SOD-123-MICRO-COMMERCIAL-COMPONENTS 62.122,16.2 r0 bottom
D94 "1N4148W-TP" D-SMD-SOD-123-MICRO-COMMERCIAL-COMPONENTS 85.934,16.2 r0 bottom
D95 "1N4148W-TP" D-SMD-SOD-123-MICRO-COMMERCIAL-COMPONENTS 157.372,16.2 r0 bottom
D96 "1N4148W-TP" D-SMD-SOD-123-MICRO-COMMERCIAL-COMPONENTS 228.809,16.2 r0 bottom
D97 "1N4148W-TP" D-SMD-SOD-123-MICRO-COMMERCIAL-COMPONENTS 252.622,16.2 r0 bottom
D98 "1N4148W-TP" D-SMD-SOD-123-MICRO-COMMERCIAL-COMPONENTS 276.434,16.2 r0 bottom
D99 "1N4148W-TP" D-SMD-SOD-123-MICRO-COMMERCIAL-COMPONENTS 300.247,16.2 r0 bottom
D100 "1N4148W-TP" D-SMD-SOD-123-MICRO-COMMERCIAL-COMPONENTS 331.202,130.5 r0 bottom
D101 "1N4148W-TP" D-SMD-SOD-123-MICRO-COMMERCIAL-COMPONENTS 350.252,130.5 r0 bottom
D102 "1N4148W-TP" D-SMD-SOD-123-MICRO-COMMERCIAL-COMPONENTS 397.877,92.4 r0 bottom
D103 "1N4148W-TP" D-SMD-SOD-123-MICRO-COMMERCIAL-COMPONENTS 416.927,92.4 r0 bottom
D104 "1N4148W-TP" D-SMD-SOD-123-MICRO-COMMERCIAL-COMPONENTS 435.977,92.4 r0 bottom
D105 "1N4148W-TP" D-SMD-SOD-123-MICRO-COMMERCIAL-COMPONENTS 331.202,111.45 r0 bottom
D106 "1N4148W-TP" D-SMD-SOD-123-MICRO-COMMERCIAL-COMPONENTS 350.252,111.45 r0 bottom
D107 "1N4148W-TP" D-SMD-SOD-123-MICRO-COMMERCIAL-COMPONENTS 397.877,73.35 r0 bottom
D108 "1N4148W-TP" D-SMD-SOD-123-MICRO-COMMERCIAL-COMPONENTS 416.927,73.35 r0 bottom
D109 "1N4148W-TP" D-SMD-SOD-123-MICRO-COMMERCIAL-COMPONENTS 435.977,73.35 r0 bottom
D110 "1N4148W-TP" D-SMD-SOD-123-MICRO-COMMERCIAL-COMPONENTS 331.202,92.4 r0 bottom
D111 "1N4148W-TP" D-SMD-SOD-123-MICRO-COMMERCIAL-COMPONENTS 369.302,130.5 r0 bottom
D112 "1N4148W-TP" D-SMD-SOD-123-MICRO-COMMERCIAL-COMPONENTS 397.877,54.3 r0 bottom
D113 "1N4148W-TP" D-SMD-SOD-123-MICRO-COMMERCIAL-COMPONENTS 416.927,54.3 r0 bottom
D114 "1N4148W-TP" D-SMD-SOD-123-MICRO-COMMERCIAL-COMPONENTS 435.977,54.3 r0 bottom
D115 "1N4148W-TP" D-SMD-SOD-123-MICRO-COMMERCIAL-COMPONENTS 331.202,73.35 r0 bottom
D116 "1N4148W-TP" D-SMD-SOD-123-MICRO-COMMERCIAL-COMPONENTS 369.302,111.45 r0 bottom
D117 "1N4148W-TP" D-SMD-SOD-123-MICRO-COMMERCIAL-COMPONENTS 369.302,16.2 r0 bottom
D118 "1N4148W-TP" D-SMD-SOD-123-MICRO-COMMERCIAL-COMPONENTS 397.877,35.25 r0 bottom
D119 "1N4148W-TP" D-SMD-SOD-123-MICRO-COMMERCIAL-COMPONENTS 416.927,35.25 r0 bottom
D120 "1N4148W-TP" D-SMD-SOD-123-MICRO-COMMERCIAL-COMPONENTS 435.977,35.25 r0 bottom
D121 "1N4148W-TP" D-SMD-SOD-123-MICRO-COMMERCIAL-COMPONENTS 350.252,92.4 r0 bottom
D122 "1N4148W-TP" D-SMD-SOD-123-MICRO-COMMERCIAL-COMPONENTS 369.302,92.4 r0 bottom
D123 "1N4148W-TP" D-SMD-SOD-123-MICRO-COMMERCIAL-COMPONENTS 350.252,35.25 r0 bottom
D124 "1N4148W-TP" D-SMD-SOD-123-MICRO-COMMERCIAL-COMPONENTS 407.402,16.2 r0 bottom
D125 "1N4148W-TP" D-SMD-SOD-123-MICRO-COMMERCIAL-COMPONENTS 455.027,92.4 r0 bottom
D126 "1N4148W-TP" D-SMD-SOD-123-MICRO-COMMERCIAL-COMPONENTS 350.252,73.35 r0 bottom
D127 "1N4148W-TP" D-SMD-SOD-123-MICRO-COMMERCIAL-COMPONENTS 369.302,73.35 r0 bottom
D128 "1N4148W-TP" D-SMD-SOD-123-MICRO-COMMERCIAL-COMPONENTS 350.252,16.2 r0 bottom
D129 "1N4148W-TP" D-SMD-SOD-123-MICRO-COMMERCIAL-COMPONENTS 435.977,16.2 r0 bottom
D130 "1N4148W-TP" D-SMD-SOD-123-MICRO-COMMERCIAL-COMPONENTS 455.027,63.825 r0 bottom
D131 "1N4148W-TP" D-SMD-SOD-123-MICRO-COMMERCIAL-COMPONENTS 331.202,16.2 r0 bottom
D132 "1N4148W-TP" D-SMD-SOD-123-MICRO-COMMERCIAL-COMPONENTS 455.027,25.725 r0 bottom
D133 "USBLC6-2SC6" SOT-23-6L-H1.45MM-ST 444.3,126.3 r180 bottom
L1 "7440430022" IND-SMD-7440430022-3MM 462.5,97.3 r270 bottom
LED1 "WS2812B" LED-SMD-4-SMD-5050-WS2812B 459.9,115.3 r0 bottom
LED2 "WS2812B" LED-SMD-4-SMD-5050-WS2812B 403.6,5.4 r270 bottom
LED3 "WS2812B" LED-SMD-4-SMD-5050-WS2812B 22.5,124.65 r270 bottom
LED4 "WS2812B" LED-SMD-4-SMD-5050-WS2812B 448.9,17.3 r270 bottom
LED5 "WS2812B" LED-SMD-4-SMD-5050-WS2812B 315.3,9 r270 bottom
LED6 "WS2812B" LED-SMD-4-SMD-5050-WS2812B 144.7,124.65 r270 bottom
LED7 "WS2812B" LED-SMD-4-SMD-5050-WS2812B 432.2,5.4 r270 bottom
LED8 "WS2812B" LED-SMD-4-SMD-5050-WS2812B 150.8,9.9 r270 bottom
LED9 "WS2812B" LED-SMD-4-SMD-5050-WS2812B 317.8,124.65 r270 bottom
LED10 "WS2812B" LED-SMD-4-SMD-5050-WS2812B 418.8,5.4 r270 bottom
LED11 "WS2812B" LED-SMD-4-SMD-5050-WS2812B 22.8,9.6 r270 bottom
MECH1 "MM60-EZH059-B5-R650" CON-SMD-PCIE-MINI-LATCH-0POS-MM60-EZH059-B5-R650-JAE 391.25,123.6 r270 bottom locked
R1 "10kR 1%" RES-SMD-0402-0.4MM-IPC-MED 440.9,122.6 r180 bottom
R2 "10kR 1%" RES-SMD-0402-0.4MM-IPC-MED 439,128.8 r180 bottom
R3 "10kR 1%" RES-SMD-0402-0.4MM-IPC-MED 11,91.63 r90 bottom
R4 "10kR 1%" RES-SMD-0402-0.4MM-IPC-MED 39.575,91.63 r90 bottom
R5 "10kR 1%" RES-SMD-0402-0.4MM-IPC-MED 58.625,91.63 r90 bottom
R6 "10kR 1%" RES-SMD-0402-0.4MM-IPC-MED 77.675,91.63 r90 bottom
R7 "10kR 1%" RES-SMD-0402-0.4MM-IPC-MED 96.725,91.63 r90 bottom
R8 "10kR 1%" RES-SMD-0402-0.4MM-IPC-MED 115.775,91.63 r90 bottom
R9 "10kR 1%" RES-SMD-0402-0.4MM-IPC-MED 134.825,91.63 r90 bottom
R10 "10kR 1%" RES-SMD-0402-0.4MM-IPC-MED 153.875,91.63 r90 bottom
R11 "10kR 1%" RES-SMD-0402-0.4MM-IPC-MED 172.925,91.63 r90 bottom
R12 "10kR 1%" RES-SMD-0402-0.4MM-IPC-MED 191.975,91.63 r90 bottom
R13 "10kR 1%" RES-SMD-0402-0.4MM-IPC-MED 211.025,91.63 r90 bottom
R14 "10kR 1%" RES-SMD-0402-0.4MM-IPC-MED 230.075,91.63 r90 bottom
R15 "10kR 1%" RES-SMD-0402-0.4MM-IPC-MED 249.125,91.63 r90 bottom
R16 "10kR 1%" RES-SMD-0402-0.4MM-IPC-MED 268.175,91.63 r90 bottom
R17 "10kR 1%" RES-SMD-0402-0.4MM-IPC-MED 296.75,91.63 r90 bottom
R18 "10kR 1%" RES-SMD-0402-0.4MM-IPC-MED 306.275,110.68 r90 bottom
R19 "1.5kR 1%" RES-SMD-0402-0.4MM-IPC-MED 3.5,130.5 r180 bottom
R20 "1.5kR 1%" RES-SMD-0402-0.4MM-IPC-MED 3.5,111.45 r180 bottom
R21 "1.5kR 1%" RES-SMD-0402-0.4MM-IPC-MED 3.5,92.4 r180 bottom
R22 "1.5kR 1%" RES-SMD-0402-0.4MM-IPC-MED 3.5,73.35 r180 bottom
R23 "1.5kR 1%" RES-SMD-0402-0.4MM-IPC-MED 3.5,54.3 r180 bottom
R24 "1.5kR 1%" RES-SMD-0402-0.4MM-IPC-MED 3.5,35.25 r180 bottom
R25 "1.5kR 1%" RES-SMD-0402-0.4MM-IPC-MED 3.5,16.2 r180 bottom
R26 "10kR 1%" RES-SMD-0402-0.4MM-IPC-MED 334.85,129.73 r90 bottom
R27 "10kR 1%" RES-SMD-0402-0.4MM-IPC-MED 353.9,129.73 r90 bottom
R28 "10kR 1%" RES-SMD-0402-0.4MM-IPC-MED 334.85,15.43 r90 bottom
R29 "10kR 1%" RES-SMD-0402-0.4MM-IPC-MED 401.525,72.58 r90 bottom
R30 "10kR 1%" RES-SMD-0402-0.4MM-IPC-MED 420.575,72.58 r90 bottom
R31 "10kR 1%" RES-SMD-0402-0.4MM-IPC-MED 439.625,72.58 r90 bottom
R32 "1.5kR 1%" RES-SMD-0402-0.4MM-IPC-MED 425.7,111 r90 bottom
R33 "1.5kR 1%" RES-SMD-0402-0.4MM-IPC-MED 425.7,113.2 r270 bottom
R34 "10kR 1%" RES-SMD-0402-0.4MM-IPC-MED 440.1,100.3 r90 bottom
R35 "RC0402FR-075K1L" RES-SMD-0402-0.4MM-IPC-MED 447.875,128.6 r180 top
R36 "RC0402FR-075K1L" RES-SMD-0402-0.4MM-IPC-MED 452.125,131.8 r0 top
R37 "10kR 1%" RES-SMD-0402-0.4MM-IPC-MED 461.25,104.125 r270 bottom
R38 "RC0402FR-07270KL" RES-SMD-0402-0.4MM-IPC-MED 465.85,97.25 r90 bottom
R39 "RC0402FR-0760K4L" RES-SMD-0402-0.4MM-IPC-MED 466.75,99.2 r90 bottom
TP1 "IM-VBAT-TP" TP-SMD-CIRCULAR-1MM 426.6,121.3 r90 bottom
TP2 "LED_DATA_IN" TP-SMD-CIRCULAR-1MM 425.2,100.5 r90 bottom
TP3 "RGB_LED_DATA_OUT" TP-SMD-CIRCULAR-1MM 316.15,119.7 r90 bottom
TP4 "USBC_SBU1" TP-SMD-CIRCULAR-1MM 451.025,127.85 r90 bottom
TP5 "USBC_SBU2" TP-SMD-CIRCULAR-1MM 443.941,129.15 r90 bottom
U1 "PCA9555PW,118" TSSOP-24-H1.1MM-P0.65MM-NXP 162.4,113.8 r90 bottom
U2 "PCA9555PW,118" TSSOP-24-H1.1MM-P0.65MM-NXP 387.4,57.2 r90 bottom
U3 "SN74LVC1T45DBVR" SOT-23-6-H1.45MM-TI 453.9,125.6 r270 bottom
U4 "AP3419KTTR-G1" SOT-23-6-H1MM-DIODES-INC 463.45,102.8 r90 bottom

## Footprints (in the part's own frame and the unit in brackets; to place one, negate y for a bottom-side part, rotate by r counter-clockwise, add the part's x,y. Pads: shape width x height; smd on the part's side, far side on the other; paste and mask are expansions set on the pad)
BTN-SMD-PTS645-CK [mm] "PTS645 SMD Button"
  rect 1.55x1.3 smd: 1(-3.975,2.25) 2(3.975,2.25) 3(-3.975,-2.25) 4(3.975,-2.25)
  body extent -4.5,-3 4.5,3, height 4.3
BTN-THT-MX-CHERRY [mm] "MX Series THT Button"
  round 2.8 hole 1.5 paste-5: 1(-3.81,2.54) 2(2.54,5.08)
  round 1.9 hole 1 paste-5: 3(-3.81,-5.08) 4(-1.27,-5.08) 5(1.27,-5.08) 6(3.81,-5.08)
  round 0 hole 1.7 unplated paste-5: NPTH(-5.08,0) NPTH(5.08,0)
  round 0 hole 4 unplated paste-5: NPTH(0,0)
  body extent -7.75,-7.8 7.85,7.8, height 15.4
CAP-SMD-0402-0.55MM-IPC-MED [mm] "0402 Capacitor, 0.55mm Height, IPC Medium Density"
  rect 0.66x0.62 smd: 1(-0.44,0) 2(0.44,0)
  body extent -0.52,-0.27 0.53,0.27, height 0.55
CAP-SMD-0805-1.35MM-IPC-MED [mm] "0805 Capacitor, 1.35mm Height, IPC Medium Density"
  rect 1.2x1.4 smd: 1(-0.85,0) 2(0.85,0)
  body extent -1.05,-0.68 1.05,0.67, height 1.35
CON-SMD-PCIE-MINI-52POS-1775838-2-TE [mm] "1775838-2 PCIe Mini Card SMD Connector, TE"
  rect 2.3x3.2 smd paste-5: 0(-2.15,-3.5) 0(27.15,-3.5)
  rect 0.6x2 smd paste-5: 1(0.7,-4.1) 2(1.1,4.1) 3(1.5,-4.1) 4(1.9,4.1) 5(2.3,-4.1) 6(2.7,4.1) 7(3.1,-4.1) 8(3.5,4.1) 9(3.9,-4.1) 10(4.3,4.1) 11(4.7,-4.1) 12(5.1,4.1) 13(5.5,-4.1) 14(5.9,4.1) 15(6.3,-4.1) 16(6.7,4.1) 17(10.3,-4.1) 18(10.7,4.1) 19(11.1,-4.1) 20(11.5,4.1) 21(11.9,-4.1) 22(12.3,4.1) 23(12.7,-4.1) 24(13.1,4.1) 25(13.5,-4.1) 26(13.9,4.1) 27(14.3,-4.1) 28(14.7,4.1) 29(15.1,-4.1) 30(15.5,4.1) 31(15.9,-4.1) 32(16.3,4.1) 33(16.7,-4.1) 34(17.1,4.1) 35(17.5,-4.1) 36(17.9,4.1) 37(18.3,-4.1) 38(18.7,4.1) 39(19.1,-4.1) 40(19.5,4.1) 41(19.9,-4.1) 42(20.3,4.1) 43(20.7,-4.1) 44(21.1,4.1) 45(21.5,-4.1) 46(21.9,4.1) 47(22.3,-4.1) 48(22.7,4.1) 49(23.1,-4.1) 50(23.5,4.1) 51(23.9,-4.1) 52(24.3,4.1)
  round 0 hole 1.6 unplated paste-5: ""(0,0)
  round 0 hole 1.1 unplated paste-5: ""(25,0)
  body extent -2.45,-4.58 27.45,4.5, height 5.58
CON-SMD-PCIE-MINI-LATCH-0POS-MM60-EZH059-B5-R650-JAE [mm] "MM60-EZH059-B5-R650 PCIe Mini Card Latch SMD, JAE"
  rect 1.2x2.7 smd paste-5: 0(-1.25,-3.15) 0(1.25,-3.15) 0(22.95,-3.15) 0(25.45,-3.15)
  rect 1.2x1.9 smd paste-5: 0(0,2.75) 0(24.2,2.75)
  round 0 hole 1.55 unplated paste-5: ""(0,0)
  round 0 hole 1.05 unplated paste-5: ""(24.2,0)
  body extent -2.4,-3.95 26.6,3.95, height 6.8
CON-SMD-PINHEADER-SHIELDED-1.27MM-10POS-2X5-3220-10-0300-00-CNC-TECH [mm] "3220-10-0300-00 2X5 1.27mm Pinheader SMD Connector, CNC Tech"
  rrect50% 0.76x2.4 smd: 1(-2.54,-1.95) 2(-2.54,1.95) 3(-1.27,-1.95) 4(-1.27,1.95) 5(0,-1.95) 6(0,1.95) 7(1.27,-1.95) 8(1.27,1.95) 9(2.54,-1.95) 10(2.54,1.95)
  body extent -6.32,-2.75 6.33,2.75, height 5.6
CON-THT-PINHEADER-2.54MM-3POS-1X3 [mm] "1X3 2.54mm Pinheader THT Connector"
  rrect50% 2x2 hole 1.1 paste-5: 1(0,0)
  round 2 hole 1.1 paste-5: 2(2.54,0) 3(5.08,0)
  body extent -1.27,-1.27 6.35,1.27, height 8.54
CON-THT-PINHEADER-2.54MM-20POS-2X10 [mm] "2X10 2.54mm Pinheader THT Connector"
  rrect50% 2x2 hole 1.1 paste-5: 1(0,0)
  round 2 hole 1.1 paste-5: 2(0,2.54) 3(2.54,0) 4(2.54,2.54) 5(5.08,0) 6(5.08,2.54) 7(7.62,0) 8(7.62,2.54) 9(10.16,0) 10(10.16,2.54) 11(12.7,0) 12(12.7,2.54) 13(15.24,0) 14(15.24,2.54) 15(17.78,0) 16(17.78,2.54) 17(20.32,0) 18(20.32,2.54) 19(22.86,0) 20(22.86,2.54)
  body extent -1.27,-1.27 24.13,3.81, height 8.54
CON-THT-USB-C-16POS-USB4085-GCT [mm]
  round 0.65 hole 0.4 paste-5 mask+0.025: A1(-2.975,0) A4(-2.125,0) A5(-1.275,0) A6(-0.425,0) A7(0.425,0) A8(1.275,0) A9(2.125,0) A12(2.975,0) B1(2.975,-1.35) B4(2.125,-1.35) B5(1.275,-1.35) B6(0.425,-1.35) B7(-0.425,-1.35) B8(-1.275,-1.35) B9(-2.125,-1.35) B12(-2.975,-1.35)
  oval 1.1x1.9 hole 0.6 slot 1.4 at 90 deg paste-5: SH(-4.325,-4.36) SH(4.325,-4.36)
  oval 1.1x2.6 hole 0.6 slot 2.1 at 90 deg paste-5: SH(-4.325,-0.98) SH(4.325,-0.98)
  body extent -4.52,-8.57 4.51,0.6, height 3.49
D-SMD-SOD-123-MICRO-COMMERCIAL-COMPONENTS [mil] "SOD-123 Diode, Micro Commercial Components Co."
  rect 36x48 smd paste-196.85: 1(-64.5,0) 2(64.5,0)
  body extent -75,-35 75,35, height 53
IND-SMD-7440430022-3MM [mm] "7440430022 Inductor, 3mm Height"
  rect 2.5x4.9 smd: 1(-1.8,0) 2(1.8,0)
  body extent -2.4,-2.4 2.4,2.4, height 2.8
LED-SMD-4-SMD-5050-WS2812B [mm]
  rect 1.5x0.9 smd: 1(-2.45,1.65) 2(-2.45,-1.65) 3(2.45,-1.65) 4(2.45,1.65)
  silkscreen extent -3.05,2.65 -2.75,2.95, body extent -2.68,-2.47 2.67,2.48, height 1.7
RES-SMD-0402-0.4MM-IPC-MED [mm] "0402 Resistor, 0.4mm Height, IPC Medium Density"
  rect 0.65x0.55 smd: 1(-0.45,0) 2(0.45,0)
  body extent -0.53,-0.27 0.53,0.27, height 0.4
SOT-23-6-H1.45MM-TI [mm]
  rect 1x0.6 smd: 1(-1.375,0.95) 2(-1.375,0) 3(-1.375,-0.95) 4(1.375,-0.95) 5(1.375,0) 6(1.375,0.95)
  silkscreen extent -1.5,-1.55 0.5,1.92, body extent -1.5,-1.53 1.5,1.52, height 1.45
SOT-23-6-H1MM-DIODES-INC [mm] "SOT23, 6-Leads, Body 2,90x2,80mm, Pitch 0,95mm, IPC Medium Density"
  rect 1.05x0.55 smd: 1(-1.325,0.95) 2(-1.325,0) 3(-1.325,-0.95) 4(1.325,-0.95) 5(1.325,0) 6(1.325,0.95)
  silkscreen extent -1.45,-1.45 0.4,1.9, body extent -1.4,-1.45 1.4,1.45, height 1
SOT-23-6L-H1.45MM-ST [mm]
  rect 1x0.6 smd: 1(-1.375,0.95) 2(-1.375,0) 3(-1.375,-0.95) 4(1.375,-0.95) 5(1.375,0) 6(1.375,0.95)
  silkscreen extent -1.5,-1.55 0.5,1.92, body extent -1.6,-1.52 1.6,1.53, height 1.45
TP-SMD-CIRCULAR-1MM [mm]
  round 1 smd paste-5: 1(0,0)
TSSOP-24-H1.1MM-P0.65MM-NXP [mm]
  oval 1.4x0.45 smd: 1(-2.95,3.575) 2(-2.95,2.925) 3(-2.95,2.275) 4(-2.95,1.625) 5(-2.95,0.975) 6(-2.95,0.325) 7(-2.95,-0.325) 8(-2.95,-0.975) 9(-2.95,-1.625) 10(-2.95,-2.275) 11(-2.95,-2.925) 12(-2.95,-3.575) 13(2.95,-3.575) 14(2.95,-2.925) 15(2.95,-2.275) 16(2.95,-1.625) 17(2.95,-0.975) 18(2.95,-0.325) 19(2.95,0.325) 20(2.95,0.975) 21(2.95,1.625) 22(2.95,2.275) 23(2.95,2.925) 24(2.95,3.575)
  silkscreen extent -3.07,-3.95 1.85,4.47, body extent -3.2,-3.95 3.2,3.95, height 1.1